# Altium PCB Power_Board.PcbDoc (part 1 of 3)
Units mm, origin at the board's own origin, x right, y up, seen from the top; angles counter-clockwise.
Board outline 100 x 100 mm, 4 copper layers (Top Layer, Signal Layer 1, Signal Layer 2, Bottom Layer), stack 1.551 mm thick; 455 components, 242 nets, 1337 pads, 0 vias.
Unrouted connection lines stored in the file: 1041.
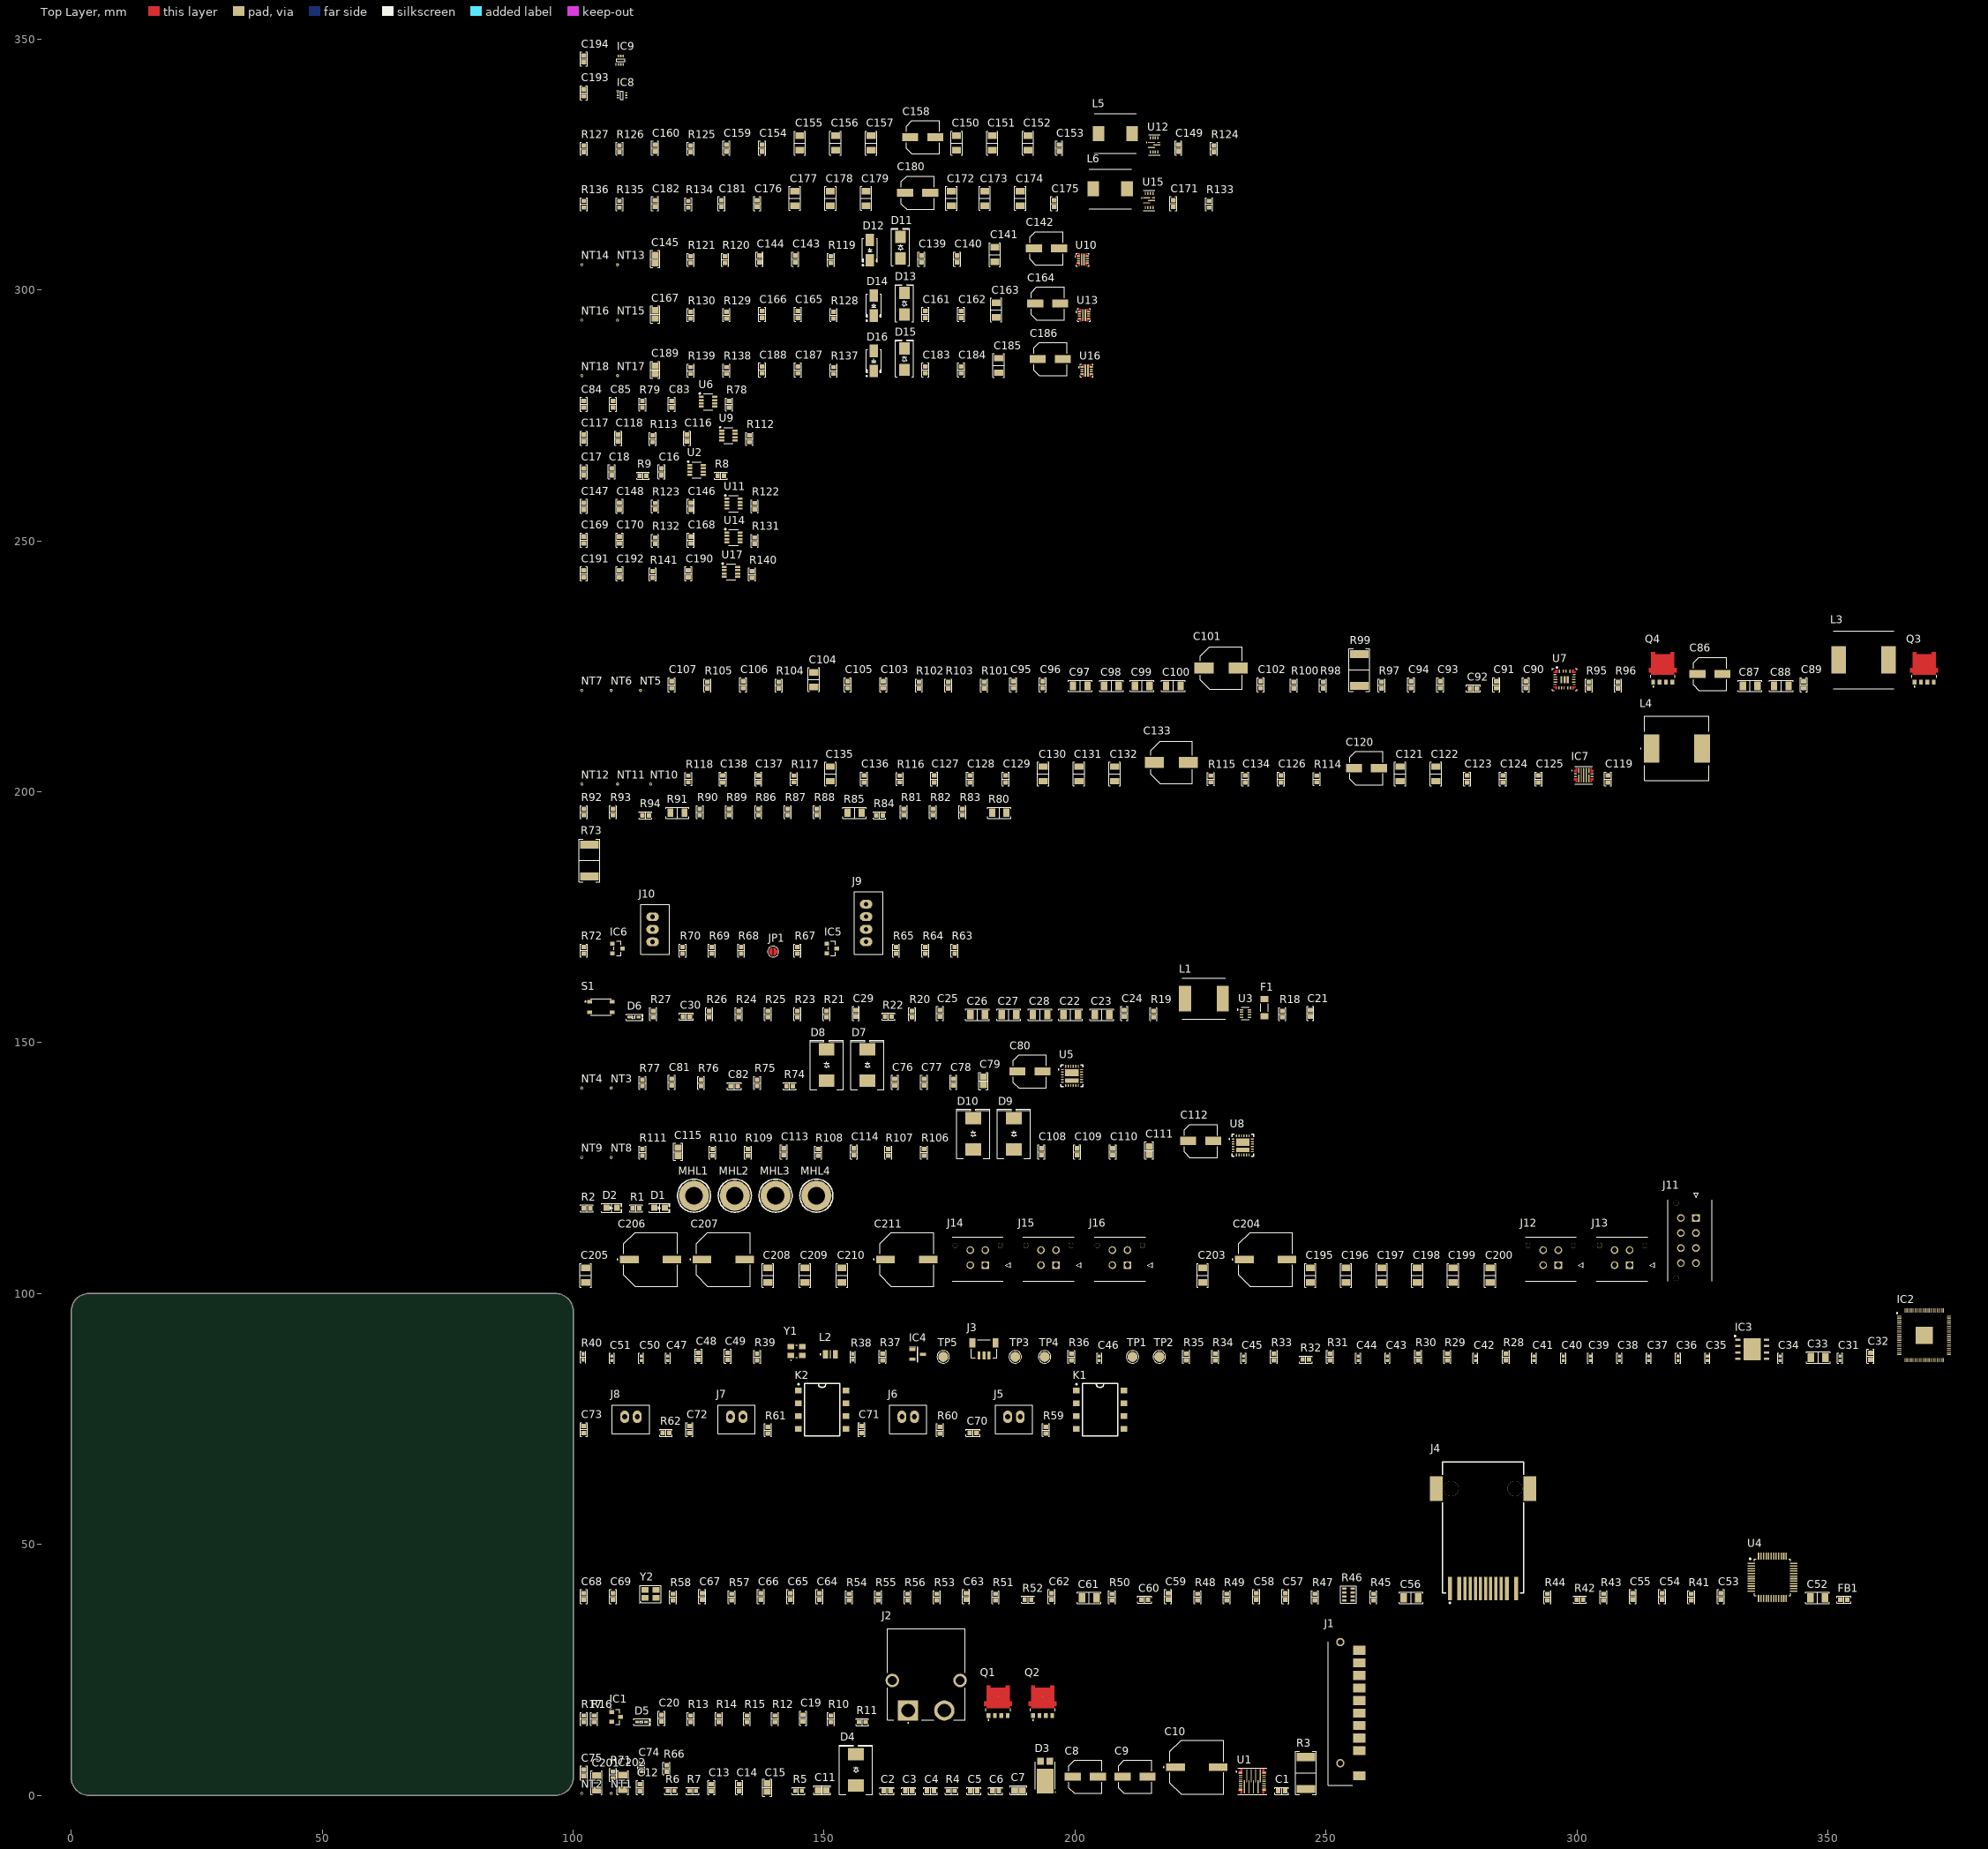
[diagram p0: Top Layer view]
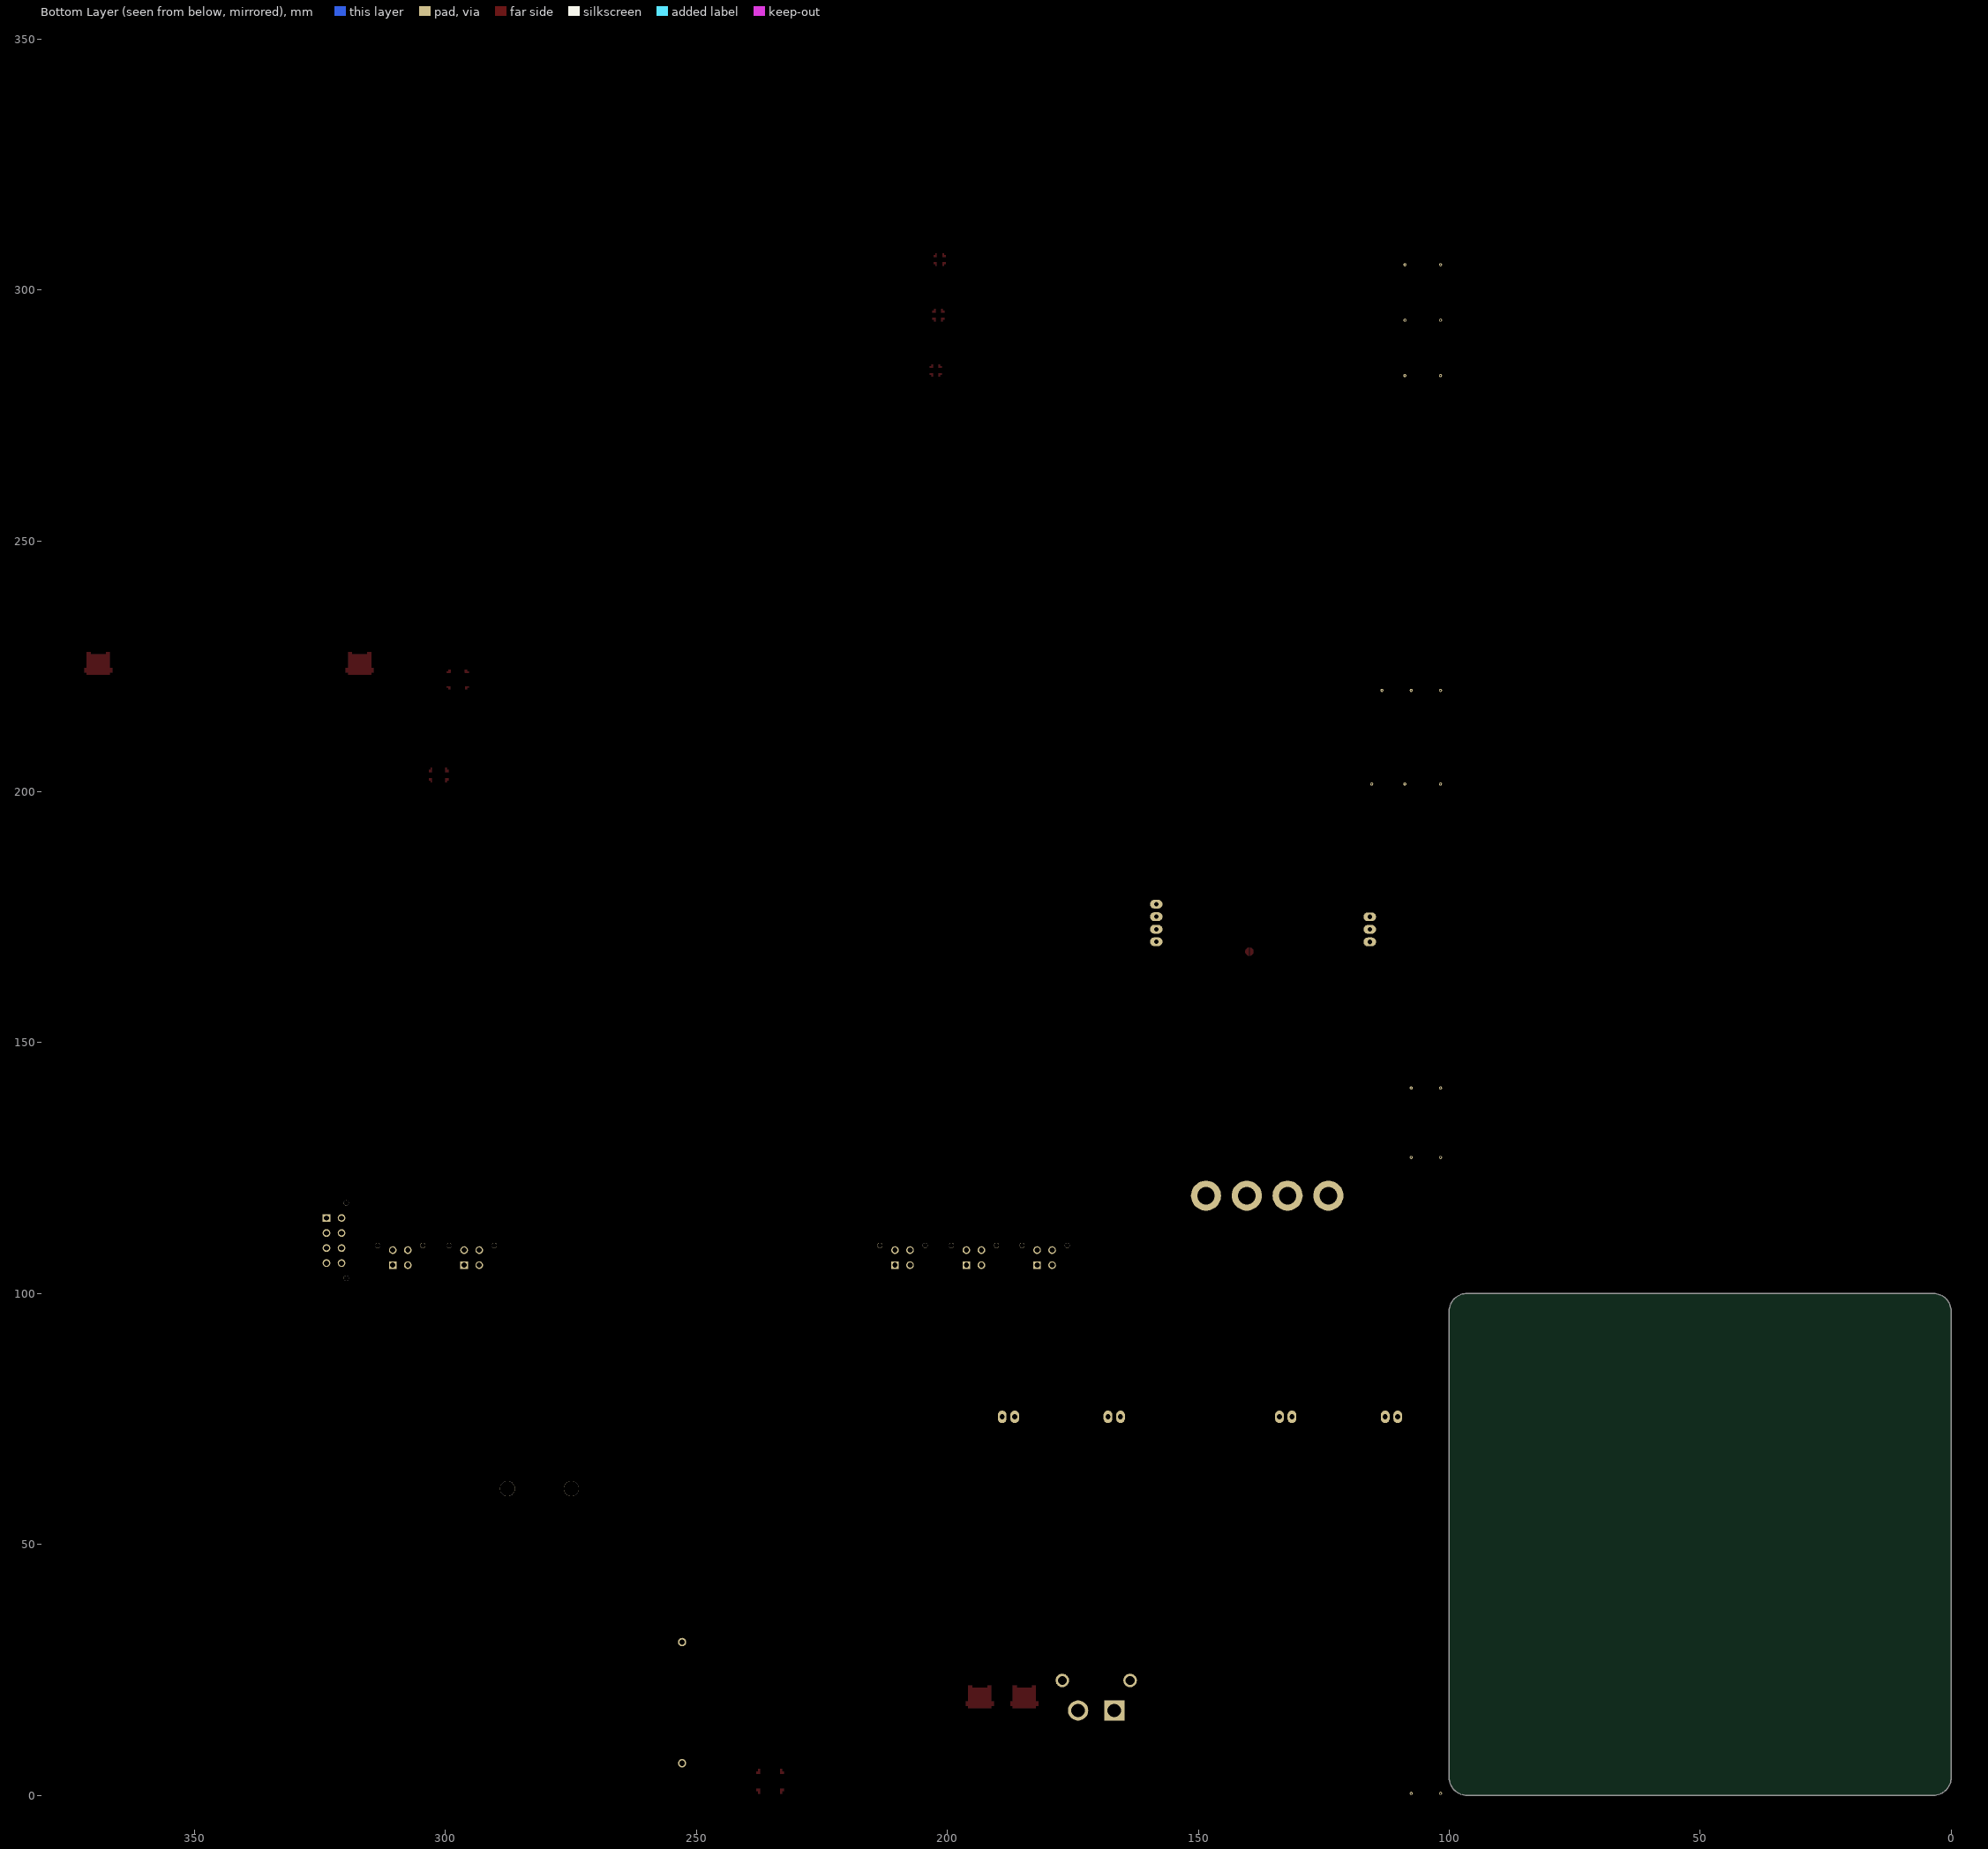
[diagram p1: Bottom Layer view, seen from below]

## Layer stack, top to bottom
Top Solder: solder mask 0.0254, SM-002, Dk 4
Top Layer: signal copper 0.07
Dielectric 2: prepreg 0.2896, PP-006, Dk 4.2
Signal Layer 1: signal copper 0.035
Dielectric 1: core 0.762, FR-4, Dk 4.2
Signal Layer 2: signal copper 0.035
Dielectric 3: prepreg 0.2896, PP-006, Dk 4.2
Bottom Layer: signal copper 0.07
Bottom Solder: solder mask 0.0254, SM-002, Dk 4

## Board outline
3.479,0 cw(c3.479,3.479) 0,3.479 0,96.521 cw(c3.479,96.521) 3.479,100 96.521,100 cw(c96.521,96.521) 100,96.521 100,3.479 cw(c96.521,3.479) 96.521,0

## Design rules (kind name [scope] priority, off if disabled: settings)
BoardOutlineClearance [All] p1: gap=0.2 ignorepadtopadclearanceinfootprint=FALSE
Clearance "Stitching GND" [IsStitchingVia and InNet('GND') vs (IsVia and (Not IsStitchingVia)) Or IsPad] p1: gap=0.2 ignorepadtopadclearanceinfootprint=FALSE except(0.15: SMDPad-SMDPad; 0.28: Arc-Hole Track-Hole)
Clearance [All] p2: gap=0.2 ignorepadtopadclearanceinfootprint=FALSE except(0.15: SMDPad-SMDPad; 0.28: Arc-Hole Track-Hole)
DiffPairsRouting [All] p1: maxlimit=0.254 minlimit=0.254 mostfreqgap=0.254 toplayer_minwidth=0.381 toplayer_maxwidth=0.381 toplayer_prefwidth=0.381 midlayer1_minwidth=0.381 midlayer1_maxwidth=0.381 midlayer1_prefwidth=0.381 midlayer2_minwidth=0.381 midlayer2_maxwidth=0.381 midlayer2_prefwidth=0.381 bottomlayer_minwidth=0.381 bottomlayer_maxwidth=0.381 bottomlayer_prefwidth=0.381 maxuncoupledlength=12.7
HoleSize [All] p1: absolutevalues=TRUE maxlimit=6 minlimit=0.3 maxpercent=80.000 minpercent=20.000
HoleToHoleClearance HoleToHolePad [IsPad vs IsPad] p1: gap=0.45 allowstackedmicrovias=TRUE
HoleToHoleClearance HoleToHoleVia [IsVia vs IsVia] p2: gap=0.2 allowstackedmicrovias=TRUE
HoleToHoleClearance [All] p3: gap=0.3 allowstackedmicrovias=TRUE
MinimumAnnularRing MinimumViaAnnularRing [IsVia] p1: minimumring=0.15
MinimumAnnularRing [All] p2: minimumring=0.254
MinimumSolderMaskSliver [All] p1: minsoldermaskwidth=0.1
PlaneConnect [All] p1: planeconnectstyle=Relief reliefexpansion=0.508 reliefentries=4 reliefconductorwidth=0.32 reliefairgap=0.254
PolygonConnect MolexPwrGND [InNet('GND') vs IsPad And HasFootprint('43045-08YY_121314')] p1: connectstyle=Relief reliefconductorwidth=1 reliefentries=4 polygonreliefangle="90 Angle" conductorbypadedge=TRUE mindistance=0.381 enablemindistance=FALSE airgapwidth=0.35
PolygonConnect DRVTherrmalGND [InNet('GND') vs IsPad And HasFootprint('RXZ0016A-MFG')] p2: connectstyle=Direct reliefconductorwidth=0.254 reliefentries=4 polygonreliefangle="90 Angle" airgapwidth=0.254
PolygonConnect GNDStitchingDirect [InNet('GND')] p3: thpad.connectstyle=Relief thpad.reliefconductorwidth=0.32 thpad.reliefentries=4 thpad.polygonreliefangle="90 Angle" thpad.airgapwidth=0.254 thpad.conductorbypadedge=TRUE thpad.mindistance=0.381 thpad.enablemindistance=FALSE smdpad.connectstyle=Relief smdpad.reliefconductorwidth=0.32 smdpad.reliefentries=4 smdpad.polygonreliefangle="90 Angle" smdpad.airgapwidth=0.254 smdpad.conductorbypadedge=TRUE smdpad.mindistance=0.381 smdpad.enablemindistance=FALSE via.connectstyle=Direct via.reliefconductorwidth=0.254 via.reliefentries=4 via.polygonreliefangle="90 Angle" via.airgapwidth=0.254
PolygonConnect [All] p4: connectstyle=Relief reliefconductorwidth=0.32 reliefentries=4 polygonreliefangle="90 Angle" conductorbypadedge=TRUE mindistance=0.381 enablemindistance=FALSE airgapwidth=0.254
RoutingVias PowerVias [InNetClass('POWER') or InNet('GND')] p1: holewidth=0.5 width=0.8 viastyle="Through Hole" minholewidth=0.3 minwidth=0.6 maxholewidth=1.2 maxwidth=1.6
RoutingVias SignalVias [All] p2: holewidth=0.3 width=0.6 viastyle="Through Hole" minholewidth=0.3 minwidth=0.6 maxholewidth=0.5 maxwidth=0.8
SilkToSilkClearance [All] p1: silktosilkclearance=0.1
SilkToSolderMaskClearance [IsPad] p1: minsilkscreentomaskgap=0.1 clearancetoexposedcopper=TRUE
SolderMaskExpansion [All] p1: expansion=0.05 istentingtop=FALSE
SupplyNets "Schematic Supply Nets_10" [InNet('SGND_VRSBC')] p1: voltage=0.000
SupplyNets "Schematic Supply Nets_8" [InNet('SGND_VRLV')] p2: voltage=0.000
SupplyNets "Schematic Supply Nets_26" [InNet('VSBC')] p3: voltage=20.00
SupplyNets "Schematic Supply Nets_25" [InNet('VFBAT')] p4: voltage=12.60
SupplyNets "Schematic Supply Nets_24" [InNet('VBAT')] p5: voltage=12.60
SupplyNets "Schematic Supply Nets_23" [InNet('VBAT_OUT')] p6: voltage=12.60
SupplyNets "Schematic Supply Nets_21" [InNet('+12VR')] p7: voltage=12.00
SupplyNets "Schematic Supply Nets_20" [InNet('+5VR')] p8: voltage=5.000
SupplyNets "Schematic Supply Nets_16" [InNet('+3V3')] p9: voltage=3.300
SupplyNets "Schematic Supply Nets_9" [InNet('+3V3R')] p10: voltage=3.300
SupplyNets "Schematic Supply Nets_6" [InNet('SGND_LP_PROT_3V3')] p11: voltage=0.000
SupplyNets "Schematic Supply Nets_3" [InNet('SGND_LP_PROT_12V')] p12: voltage=0.000
SupplyNets "Schematic Supply Nets_2" [InNet('SGND_LP_PROT_5V')] p13: voltage=0.000
SupplyNets "Schematic Supply Nets_22" [InNet('SGND_HPIN')] p14: voltage=0.000
SupplyNets "Schematic Supply Nets_4" [InNet('SGND_HPVB')] p15: voltage=0.000
SupplyNets "Schematic Supply Nets_1" [InNet('SGND_HPSBC')] p16: voltage=0.000
SupplyNets "Schematic Supply Nets_19" [InNet('+3V3A_ETH')] p17: voltage=3.300
SupplyNets "Schematic Supply Nets_17" [InNet('GND_ETH')] p18: voltage=0.000
SupplyNets "Schematic Supply Nets" [InNet('GND')] p19: voltage=0.000
Width WidthPower [InNetClass('POWER') or InNet('GND')] p1: maxlimit=3 minlimit=0.2 preferedwidth=0.6
Width WidthSignal [All] p2: maxlimit=1 minlimit=0.2 preferedwidth=0.3
23 further rules are at their usual default settings.

## Classes and differential pairs
component class VBAT_OUT: R73
channel class Voltage_Buck_3A: VREG_3V3 VREG_5V
channel class TMP112_Sensor: VREG_A_TMP VREG_B_TMP
channel class STD_Protect: PROT_3V3 PROT_5V PROT_12V
channel class INA236_Sensor: MEAS_3V3 MEAS_5V MEAS_12V MEAS_BATT MEAS_SBC MEAS_VBAT
net class SSR[1..4]: SSR1 SSR2 SSR3 SSR4
component class VREG_SBC: C85 C87 C88 C89 C90 C92 C93 C94 C96 C97 C98 C100 C101 C102 C103 C105 C107 L3 NT5 NT6 NT7 Q3 Q4 R95 R96 R97 R98 R99 R100 R101 R102 R103 R104 R105 U7
component class VREG_B_TMP: C194 IC9
component class VREG_A_TMP: C192 IC8
component class VREG_12V: C118 C120 C121 C122 C123 C125 C126 C127 C129 C130 C131 C133 C134 C135 C136 C138 IC6 L4 NT10 NT11 NT12 R114 R115 R116 R117 R118
component class VREG_5V: C149 C150 C152 C153 C154 C156 C157 C158 C160 L5 R124 R125 R126 R127 U12
component class VREG_3V3: C171 C173 C174 C175 C176 C178 C179 C180 C182 L6 R133 R134 R135 R136 U15
component class VOLT_REGS: R80 R81 R82 R83 R84 R85 R86 R87 R88 R89 R90 R91 R92 R93 R94
component class PROT_VBAT: C76 C77 C79 C80 C81 D7 D8 NT3 NT4 R74 R75 R76 R77 U5
component class USR_CTRL: C74 IC5 IC6 J9 J10 JP1 R63 R64 R65 R66 R67 R68 R69 R70 R71 R72
component class PWR: C22 C24 C25 C27 C28 C29 D6 F1 L1 R18 R19 R20 R21 R22 R23 R24 R25 R26 R27 S1 U3
component class PROT_SBC: C108 C109 C110 C112 C113 C114 D9 D10 NT8 NT9 R106 R107 R108 R109 R110 R111 U8
component class PROT_12V: C139 C140 C142 C143 C144 D11 D12 NT13 NT14 R119 R120 R121 U10
component class PROT_5V: C161 C162 C163 C165 C166 C167 D13 D14 NT15 NT16 R128 R129 R130 U13
component class PROT_3V3: C183 C184 C186 C187 C189 D15 D16 NT17 NT18 R137 R138 R139 U16
component class Power_Board: D1 D2 MHL1 MHL2 MHL3 MHL4 R1 R2
component class OUT_CONNS: C195 C196 C198 C199 C200 C202 C203 C205 C206 C207 C209 C210 J11 J12 J13 J14 J15 J16
component class MEAS_VBAT: C83 C84 C85 R78 R79 U6
component class MEAS_SBC: C116 C117 C118 R112 R113 U9
component class MEAS_BATT: C16 C17 C18 R8 R9 U2
component class MEAS_12V: C146 C147 C148 R122 R123 U11
component class MEAS_5V: C167 C169 C170 R131 R132 U14
component class MEAS_3V3: C190 C191 C192 R140 R141 U17
component class MCU: C31 C32 C34 C35 C36 C37 C39 C40 C42 C43 C45 C46 C47 C49 C50 IC4 J3 L2 R28 R29 R30 R31 R32 R33 R34 R35 R36 R37 R38 R39 R40 TP1 TP2 TP3 TP4 TP5 Y1
component class EXT_SSR: C70 C71 C73 J5 J6 J7 J8 K1 K2 R59 R60 R61 R62
component class ETHERNET: C52 C53 C55 C56 C57 C59 C60 C62 C63 C64 C66 C67 C69 FB1 J4 R41 R42 R43 R44 R45 R46 R47 R48 R49 R50 R51 R52 R53 R54 R55 R56 R57 R58 U4 Y2
component class CHG_IN: C19 C20 D5 IC1 J2 Q1 Q2 R10 R11 R12 R13 R14 R15 R16 R17
component class BATT: C1 C2 C3 C4 C5 C6 C7 C8 C9 C10 C11 C12 C13 C14 C15 D3 D4 J1 NT1 NT2 R3 R4 R5 R6 R7 U1
differential pair MDI_TX: +MDI_TX_P -MDI_TX_N
differential pair MDI_RX: +MDI_RX_P -MDI_RX_N
differential pair MDI_JTX: +MDI_JTX_P -MDI_JTX_N
differential pair MDI_JRX: +MDI_JRX_P -MDI_JRX_N
differential pair USB_DIFF: +USB_DIFF_P -USB_DIFF_N

## Components (designator, comment, footprint, x,y, rotation, side; value= is the part's Value field where it differs from the comment)
C1 "100nF" "CAP 0603_1608" 241.173,0.889 r0 top (schematic designator C55)
C2 "1µF" "CAP 0603_1608" 162.56,0.889 r0 top (schematic designator C56)
C3 "1µF" "CAP 0603_1608" 166.878,0.889 r0 top (schematic designator C57)
C4 "100nF" "CAP 0603_1608" 171.196,0.889 r0 top (schematic designator C58)
C5 "100nF" "CAP 0603_1608" 179.832,0.889 r0 top (schematic designator C59)
C6 "1µF" "CAP 0603_1608" 184.15,0.889 r0 top (schematic designator C60)
C7 "2.2µF" "CAP 0805_2012" 188.722,1.016 r0 top (schematic designator C61)
C8 "100 µF" "CAP ALSMD 6.6MM H7.7MM" 202.057,3.683 r0 top (schematic designator C62)
C9 "100 µF" "CAP ALSMD 6.6MM H7.7MM" 211.963,3.683 r0 top (schematic designator C63)
C10 "470µF" CAP_A781-MN_KEM 224.282,5.588 r0 top (schematic designator C64)
C11 "2.2µF" "CAP 0805_2012" 149.606,1.016 r0 top (schematic designator C65)
C12 "330nF" "CAP 0603_1608" 113.284,1.524 r90 top (schematic designator C66)
C13 "330nF" "CAP 0603_1608" 127.508,1.524 r90 top (schematic designator C67)
C14 "22pF" "CAP 0603_1608" 133.096,1.524 r90 top (schematic designator C68)
C15 "1nF" "CAP 0805_2012" 138.684,1.524 r90 top (schematic designator C69)
C16 "100nF" "CAP 0603_1608" 117.602,263.779 r90 top (schematic designator C1)
C17 "1µF" "CAP 0603_1608" 102.108,263.779 r90 top (schematic designator C2)
C18 "100nF" "CAP 0603_1608" 107.696,263.779 r90 top (schematic designator C3)
C19 "100nF" "CAP 0603_1608" 145.796,15.367 r90 top (schematic designator C70)
C20 "22nF" "CAP 0603_1608" 117.602,15.367 r90 top (schematic designator C71)
C21 "100nF" "CAP 0603_1608" 246.888,155.829 r90 top (schematic designator C72)
C22 "10µF" "CAP 1206_3216" 199.136,155.575 r0 top (schematic designator C73)
C23 "10µF" "CAP 1206_3216" 205.359,155.575 r0 top (schematic designator C74)
C24 "100nF" "CAP 0603_1608" 209.804,155.829 r90 top (schematic designator C75)
C25 "100nF" "CAP 0603_1608" 173.101,155.829 r90 top (schematic designator C76)
C26 "10µF" "CAP 1206_3216" 180.594,155.575 r0 top (schematic designator C77)
C27 "22 µF" "CAP 1206_3216 - 0.8MM" 186.817,155.575 r0 top (schematic designator C78)
C28 "22 µF" "CAP 1206_3216 - 0.8MM" 193.04,155.575 r0 top (schematic designator C79)
C29 "33nF" "CAP 0603_1608" 156.337,155.829 r90 top (schematic designator C80)
C30 "22nF" "CAP 0603_1608" 122.555,155.194 r0 top (schematic designator C81)
C31 "100nF" "CAP 0402_1005" 352.425,87.122 r90 top (schematic designator C82)
C32 "100nF" "CAP 0603_1608" 358.521,87.503 r90 top (schematic designator C83)
C33 "10µF" "CAP 1206_3216" 348.107,87.249 r0 top (schematic designator C84)
C34 "100nF" "CAP 0402_1005" 340.487,87.122 r90 top (schematic designator C85)
C35 "100nF" "CAP 0402_1005" 326.009,87.122 r90 top (schematic designator C86)
C36 "100nF" "CAP 0402_1005" 320.167,87.122 r90 top (schematic designator C87)
C37 "100nF" "CAP 0402_1005" 314.325,87.122 r90 top (schematic designator C88)
C38 "100nF" "CAP 0402_1005" 308.483,87.122 r90 top (schematic designator C89)
C39 "4.7µF" "CAP 0402_1005" 302.641,87.122 r90 top (schematic designator C90)
C40 "100nF" "CAP 0402_1005" 297.307,87.122 r90 top (schematic designator C91)
C41 "100nF" "CAP 0402_1005" 291.465,87.122 r90 top (schematic designator C92)
C42 "100nF" "CAP 0402_1005" 279.781,87.122 r90 top (schematic designator C93)
C43 "100nF" "CAP 0402_1005" 262.255,87.122 r90 top (schematic designator C94)
C44 "100nF" "CAP 0402_1005" 256.413,87.122 r90 top (schematic designator C95)
C45 "4.7µF" "CAP 0402_1005" 233.553,87.122 r90 top (schematic designator C96)
C46 "15pF" "CAP 0402_1005" 204.851,87.122 r90 top (schematic designator C97)
C47 "4.7µF" "CAP 0402_1005" 118.872,87.122 r90 top (schematic designator C98)
C48 "4.7µF" "CAP 0603_1608" 124.968,87.503 r90 top (schematic designator C99)
C49 "100nF" "CAP 0603_1608" 130.81,87.503 r90 top (schematic designator C100)
C50 "4.7µF" "CAP 0402_1005" 113.538,87.122 r90 top (schematic designator C101)
C51 "15pF" "CAP 0402_1005" 107.696,87.122 r90 top (schematic designator C102)
C52 "10µF" "CAP 1206_3216" 347.98,39.37 r0 top (schematic designator C1)
C53 "22nF" "CAP 0603_1608" 328.676,39.624 r90 top (schematic designator C2)
C54 "100nF" "CAP 0603_1608" 316.992,39.624 r90 top (schematic designator C3)
C55 "10nF" "CAP 0603_1608" 311.15,39.624 r90 top (schematic designator C4)
C56 "10µF" "CAP 1206_3216" 266.954,39.37 r0 top (schematic designator C5)
C57 "100nF" "CAP 0603_1608" 241.935,39.624 r90 top (schematic designator C6)
C58 "6.8nF" "CAP 0603_1608" 236.093,39.624 r90 top (schematic designator C7)
C59 "100nF" "CAP 0603_1608" 218.567,39.624 r90 top (schematic designator C8)
C60 "6.8nF" "CAP 0603_1608" 213.868,38.989 r0 top (schematic designator C9)
C61 "1nF" "CAP 1206_3216" 202.819,39.37 r0 top (schematic designator C10)
C62 "100nF" "CAP 0603_1608" 195.326,39.624 r90 top (schematic designator C11)
C63 "100nF" "CAP 0603_1608" 178.308,39.624 r90 top (schematic designator C12)
C64 "10nF" "CAP 0603_1608" 149.098,39.624 r90 top (schematic designator C13)
C65 "100nF" "CAP 0603_1608" 143.256,39.624 r90 top (schematic designator C14)
C66 "100nF" "CAP 0603_1608" 137.414,39.624 r90 top (schematic designator C15)
C67 "4.7µF" "CAP 0603_1608" 125.73,39.624 r90 top (schematic designator C16)
C68 "18pF" "CAP 0603_1608" 102.108,39.624 r90 top (schematic designator C17)
C69 "18pF" "CAP 0603_1608" 107.95,39.624 r90 top (schematic designator C18)
C70 "100nF" "CAP 0603_1608" 179.705,72.263 r0 top (schematic designator C144)
C71 "100nF" "CAP 0603_1608" 157.48,72.898 r90 top (schematic designator C145)
C72 "100nF" "CAP 0603_1608" 123.19,72.898 r90 top (schematic designator C146)
C73 "100nF" "CAP 0603_1608" 102.108,72.898 r90 top (schematic designator C147)
C74 "1µF" "CAP 0603_1608" 113.538,5.548 r90 top (schematic designator C134)
C75 "1µF" "CAP 0603_1608" 102.108,4.445 r90 top (schematic designator C135)
C76 "1µF" "CAP 0603_1608" 164.084,142.113 r90 top (schematic designator C103)
C77 "10nF" "CAP 0603_1608" 169.926,142.113 r90 top (schematic designator C104)
C78 "1µF" "CAP 0603_1608" 175.768,142.113 r90 top (schematic designator C105)
C79 "2.2µF" "CAP 0805_2012" 181.737,142.367 r90 top (schematic designator C106)
C80 "100 µF" "CAP ALSMD 6.6MM H7.7MM" 191.008,144.272 r0 top (schematic designator C107)
C81 "4.3nF" "CAP 0603_1608" 119.634,142.113 r90 top (schematic designator C108)
C82 "47nF" "CAP 0603_1608" 132.08,141.351 r0 top (schematic designator C109)
C83 "100nF" "CAP 0603_1608" 119.634,277.241 r90 top (schematic designator C1)
C84 "1µF" "CAP 0603_1608" 102.108,277.241 r90 top (schematic designator C2)
C85 "100nF" "CAP 0603_1608" 107.95,277.241 r90 top (schematic designator C3)
C86 "68 µF" "CAP ALSMD 6.6MM H7.7MM" 326.517,223.52 r0 top (schematic designator C1)
C87 "10µF" "CAP 1206_3216" 334.518,221.107 r0 top (schematic designator C2)
C88 "10µF" "CAP 1206_3216" 340.741,221.107 r0 top (schematic designator C3)
C89 "1µF" "CAP 0603_1608" 345.186,221.361 r90 top (schematic designator C4)
C90 "100nF" "CAP 0603_1608" 289.814,221.361 r90 top (schematic designator C5)
C91 "100nF" "CAP 0603_1608" 283.972,221.361 r90 top (schematic designator C6)
C92 "100nF" "CAP 0603_1608" 279.4,220.599 r0 top (schematic designator C7)
C93 "1µF" "CAP 0603_1608" 272.796,221.361 r90 top (schematic designator C8)
C94 "100nF" "CAP 0603_1608" 266.954,221.361 r90 top (schematic designator C9)
C95 "100nF" "CAP 0603_1608" 187.706,221.361 r90 top (schematic designator C10)